# Altium PCB CT9042 Main Board with transformers.PcbDoc (part 2 of 2)
Units mm, origin at the board's own origin, x right, y up, seen from the top; angles counter-clockwise.
Board outline 242.29 x 155.23 mm, 4 copper layers (Top Layer, Layer 1, Layer 2, Bottom Layer), stack 1.794 mm thick; 444 components, 317 nets, 1266 pads, 114 vias.
Unrouted connection lines stored in the file: 642.
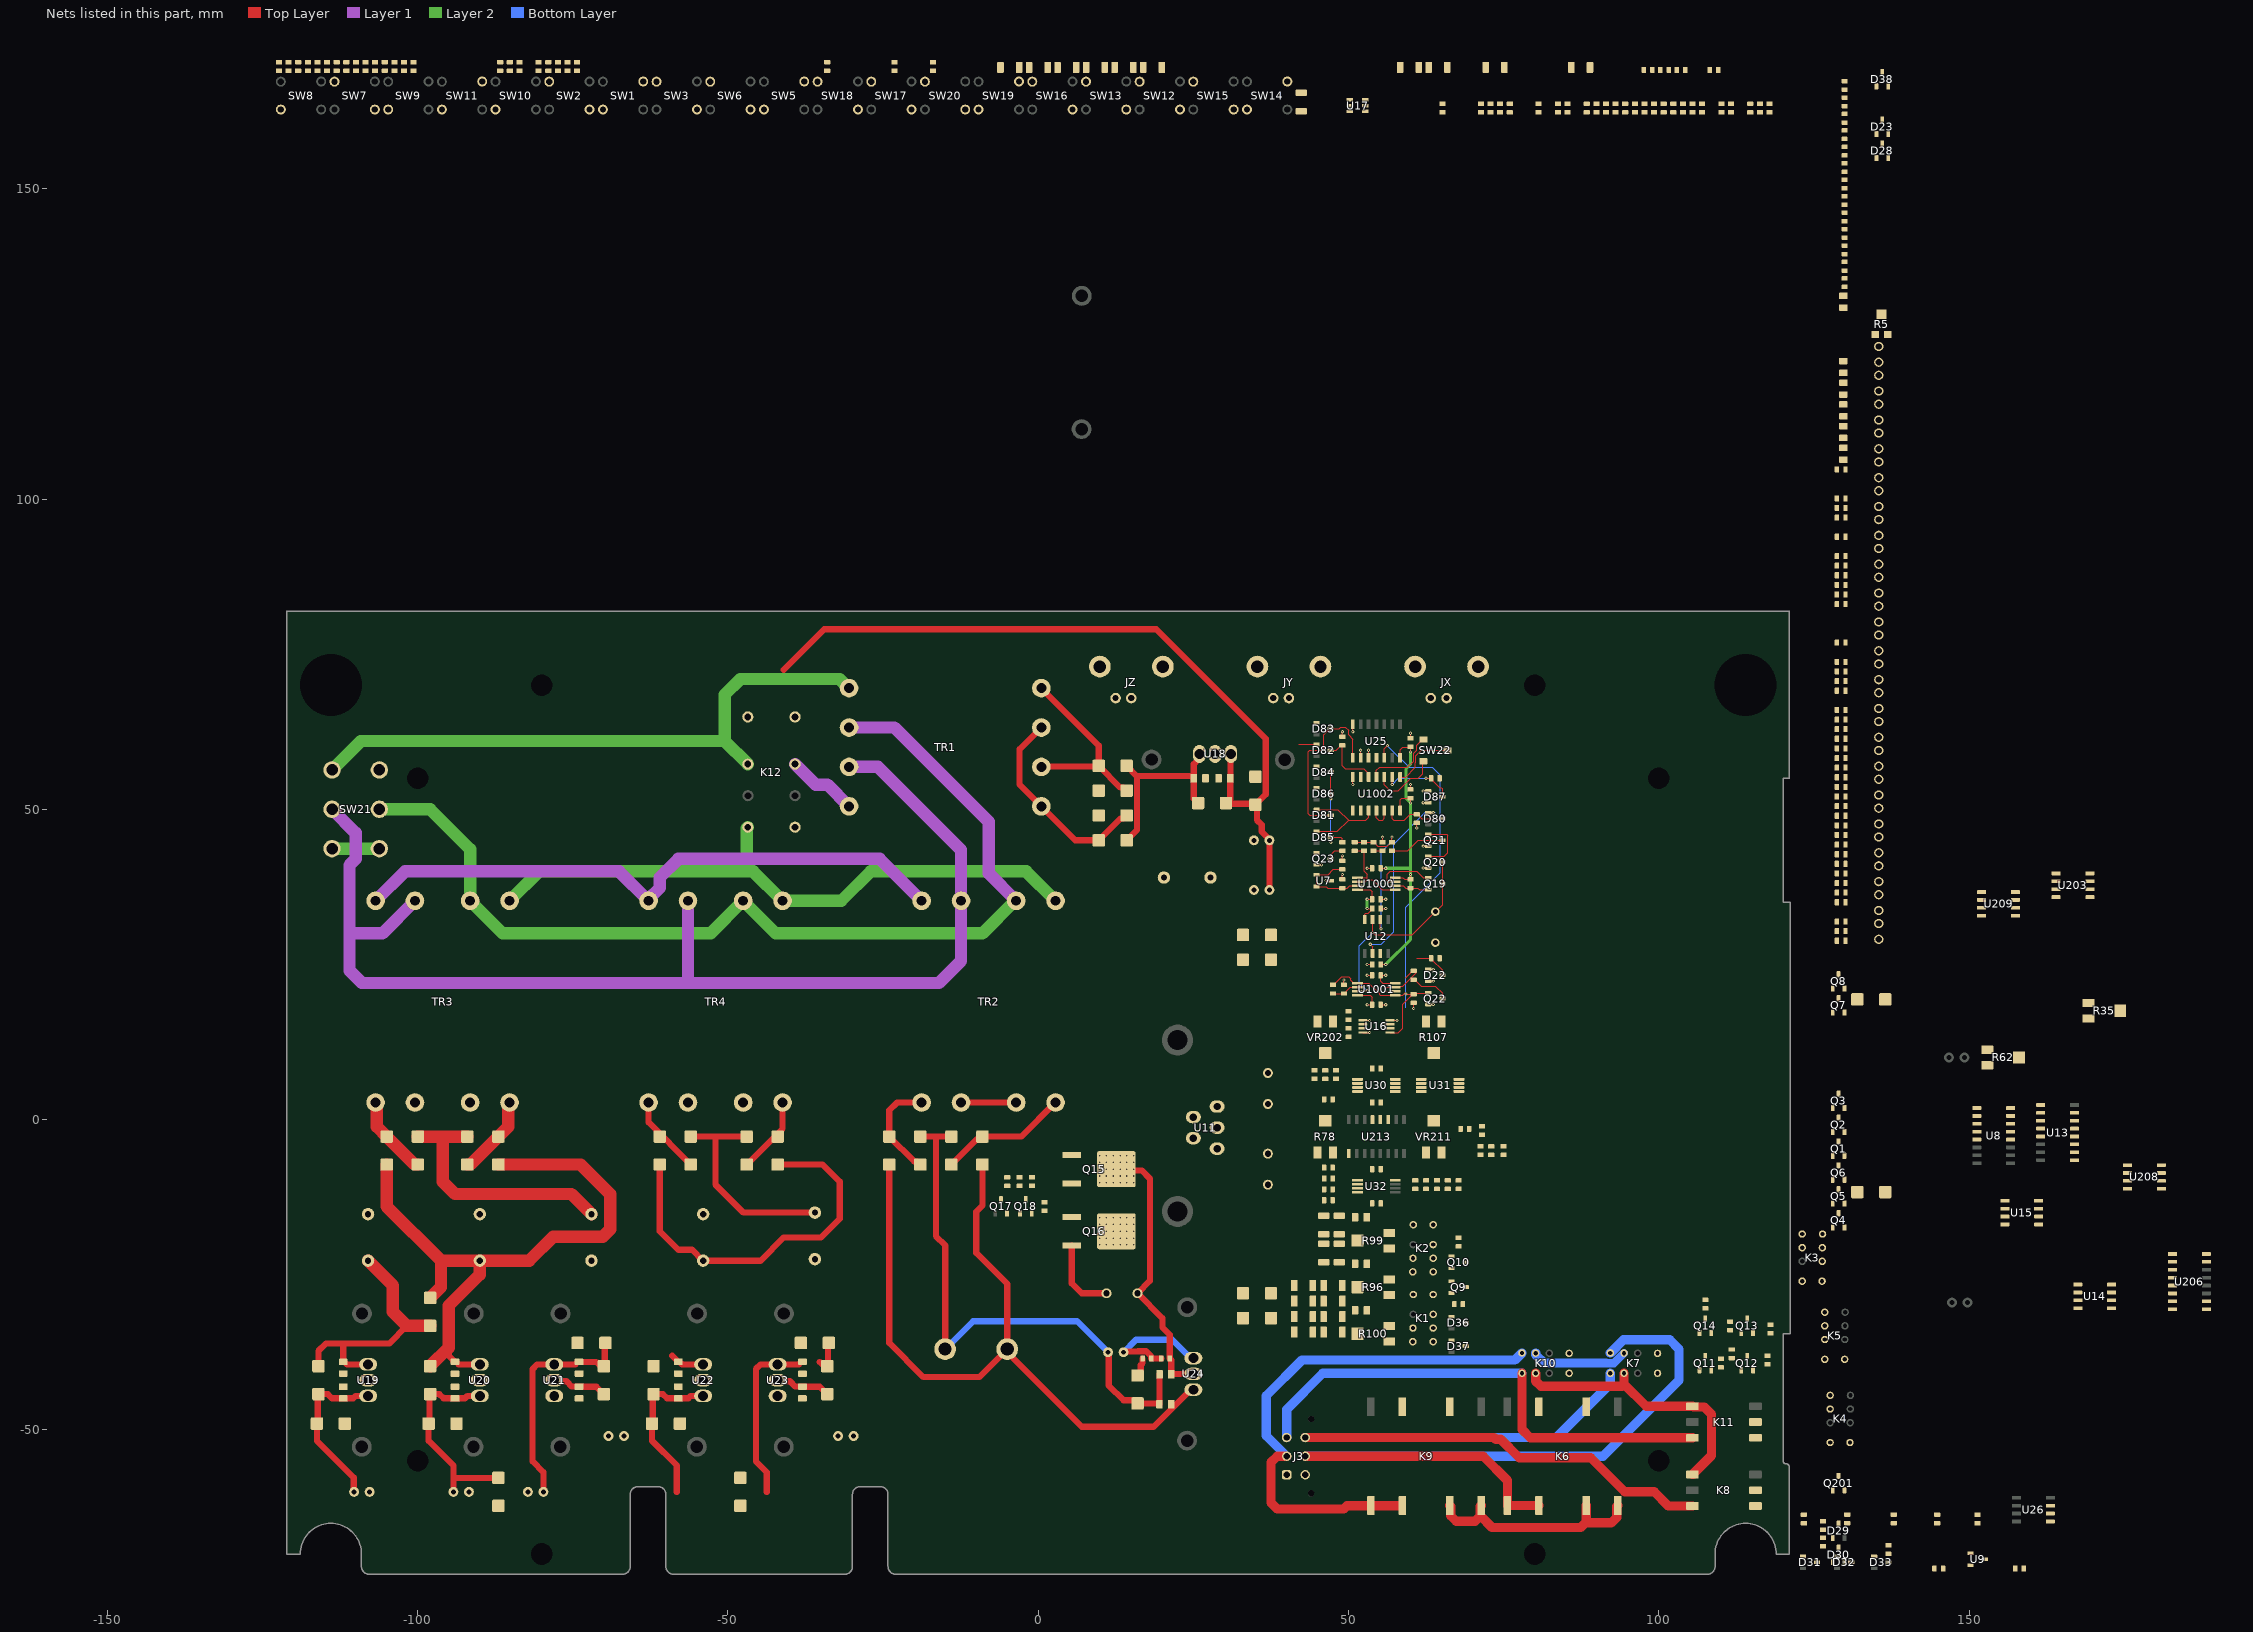
[diagram p4: the nets of this part, all layers, seen from the top]

## Part data (continued)
J3: "CONN,2X3,MOLEX MICROFIT,TH,VERT"
JX JY JZ: library part CONN-BNC-RA-TE-CONBNC002
K1 K2 K3 K4 K5 K7 K10: "RELAY,DPDT,1A,250VAC,220VDC,5V COIL,KEMET,UA2-5NJ", Manufacturer 1=KEMET, Manufacturer Part Number 1=UA2-5NJ, DIGIKEY=399-UA2-5NJ-ND
K6 K9: "RELAY,OPTOMOS,6A,60V,AC,IXYS,CPC1907B,SMD"
K8 K11: "RELAY,OPTOMOS,1.5A,100V,AC,IXYS,LCA701S,SMD"
K12: "RELAY,DPDT,5V COIL,250VAC,3A", Manufacturer 1=CIT, Manufacturer Part Number 1=J104B2C5VDC.20S, DIGIKEY=2449-J104B2C5VDC.20S-ND
Q1 Q2 Q4 Q6 Q7 Q8 Q9 Q10 Q11 Q12 Q13 Q14 Q18: library part XSTR-NPN-BC847, "XSTR,NPN,45V,0.1A,,BC847B,SOT23"
Q3 Q5 Q19 Q201: library part XSTR-PNP-BC857, "XSTR,PNP,SOT23,BC857,SOT23", Manufacturer 1=NEXPERIA, Manufacturer Part Number 1=BC857BW,115, DIGIKEY=1727-4869-1-ND
Q15: library part XSTR-NMOS-DIODES-DMN10H170SK3-13, "XSTR,NMOS,100V,12A,DMN10H170SK3-13,DPAK", Manufacturer 1=DIODES, Manufacturer Part Number 1=DMN10H170SK3-13, Package=DPAK, Idmax=5.6, Vds=100V
Q16: library part XSTR-PMOS-DIODES-DMP10H400SK3-13, "XSTR,PMOS,100V,5.6A,DMP10H400SK3-13,DPAK", Manufacturer 1=DIODES, Manufacturer Part Number 1=DMP10H400SK3-13, Package=DPAK, Idmax=9A, Vds=100V
Q17: library part XSTR-PNP-BC857, "XSTR,PNP,SOT23,BC857,SOT23"
Q20 Q21 Q22 Q23: library part XSTR-NMOS-VISHAY-SI2336DS-T1-BE3, "XSTR,NMOS,30V,4.3A,SI2336DS-T1-BE3.SOT23", Manufacturer 1=VISHAY, Manufacturer Part Number 1=SI2336DS-T1-BE3, Package=SOT23, DIGIKEY=742-SI2336DS-T1-BE3CT-ND, Idmax=4.3A, Vds=30V
R1 R2 R3 R4 R29 R30 R111 R115 R124 R131 R133 R135 R150 R272 R277 R279 R280: library part RESC-0603-10K-0.1%-1/10W, "RESISTOR,10K,0.1%,100mW,0603 (1608)", Power=1/10W, Tolerance=0.1%
R5: "RES,TRIM,SMD,500R", Manufacturer 1=BOURNS, Manufacturer Part Number 1=TC33X-2-501E, MOUSER=652-TC33X-2-101E
R6: library part RESC-0805-GENERIC, "RESISTOR,GENERIC,0805"
R7 R8 R9 R10 R11 R12 R13 R14 R15 R16 R17 R18 R19 R20 R21 R22 R23 R24 R25 R26 R27 R28 R41 R119 R122 R126 R128: library part RESC-0603-511R-0.1%-1/10W, "RESISTOR,511R,0.1%,100mW,0603 (1608)", Power=1/10W, Tolerance=0.1%
R31 R118 R149 R218: library part RESC-0603-511R-0.1%, "RESISTOR,511R,0.1%,100mW,0603 (1608)", Power=1/10W, Tolerance=0.1%
R32 R37 R43 R69 R72 R77 R106 R108: library part RESC-0603-2K05-0.1%-1/10W, "RESISTOR,2K05,0.11%,100mW,0603 (1608)", Power=1/10W, Tolerance=0.1%
R33: library part RESC-0603-50K-0.1%-1/10W, "RESISTOR,50K,0.1%,100mW,0603 (1608)", Power=1/10W, Tolerance=0.1%
R34: library part RESC-0603-2K37-0.1%-1/10W, "RESISTOR,2K37,0.1%,100mW,0603 (1608)", Power=1/10W, Tolerance=0.1%
R35 R62: "RESISTOR,MULTITURN,VERTICAL,5T,500R", Manufacturer 1=BOURNS, Manufacturer Part Number 1=3214X-1-501E
R36 R44 R207: library part RESC-1206-1K-0.1%-1/2W, "RESISTOR,1K,1206,0.1%,520mW,1206", Manufacturer 1=VISHAY, Manufacturer Part Number 1=TNPW12061K00BEEA, Power=0.52W, Tolerance=0.1%
R38 R45 R314: library part RESC-0603-1K27-0.1%-1/10W, "RESISTOR,1K27,0.1%,100mW,0603 (1608)", Power=1/10W, Tolerance=0.1%
R39 R42 R51 R58 R60 R61 R67 R68 R70 R71 R76 R101 R102 R110 R138 R139 R140 R141 R142 R144 R145 R146 R147 R148 R154 R155 R242 R243: library part RESC-0603-10K-0.1%-1/10W, "RESISTOR,10K,0.1%,100mW,0603 (1608)", Manufacturer 1=PANASONIC, Manufacturer Part Number 1=ERA-3AEB103V, Power=1/10W, Tolerance=0.1%, DIGIKEY=P10KDBCT-ND
R40 R112: library part RESC-0603-9K09-0.1%-1/10W, "RESISTOR,9K09,0.1%,100mW,0603 (1608)", Power=1/10W, Tolerance=0.1%
R46 R74 R75: library part RESC-0603-2K49-0.1%-1/10W, "RESISTOR,2K49,0.1%,100mW,0603 (1608)", Power=1/10W, Tolerance=0.1%
R47 R52: library part RESC-1206-18K-0.1%-1/2W, "RESISTOR,18K,1206,0.1%,520mW,1206", Manufacturer 1=VISHAY, Manufacturer Part Number 1=TNPW1206220RBEEA, Power=0.52W, Tolerance=0.1%
R48 R53 R82 R87: library part RESC-1206-1K8-0.1%-1/2W, "RESISTOR,1K8,1206,0.1%,520mW,1206", Manufacturer 1=VISHAY, Manufacturer Part Number 1=TNPW12061K80BEEA, Power=0.52W, Tolerance=0.1%
R49 R54: library part RESC-1206-200R-0.1%-1/2W, "RESISTOR,200R,1206,0.1%,520mW,1206", Manufacturer 1=VISHAY, Manufacturer Part Number 1=TNPW1206200RBEEA, Power=0.52W, Tolerance=0.1%
R50 R55 R81 R86: library part RESC-0603-2K21-0.1%-1/10W, "RESISTOR,2K21,0.1%,100mW,0603 (1608)", Power=1/10W, Tolerance=0.1%
R56 R57: library part RESC-1206-220R-0.1%-1/2W, "RESISTOR,220R,1206,0.1%,520mW,1206", Manufacturer 1=VISHAY, Manufacturer Part Number 1=TNPW1206220RBEEA, Power=0.52W, Tolerance=0.1%
R59 R66 R73 R121 R123 R129 R130 R136 R257 R278: library part RESC-0603-1K-0.1%-1/10W, "RESISTOR,1K,0.1%,100mW,0603 (1608)", Power=1/10W, Tolerance=0.1%
R63 R79 R316: library part RESC-0603-2M74-0.1%-1/10W, "RESISTOR,2M74,0.1%,100mW,0603 (1608)", Power=1/10W, Tolerance=0.1%
R64 R117 R153 R241 R271: library part RESC-0603-4M75-1%-1/10W, "RESISTOR,4M75,0.1%,100mW,0603 (1608)", Power=1/10W, Tolerance=0.1%
R65: library part RESC-0603-4K42-0.1%-1/10W, "RESISTOR,4K42,0.1%,100mW,0603 (1608)", Power=1/10W, Tolerance=0.1
R78 R107 VR211: "RESISTOR,MULTITURN,VERTICAL,5T,10K", Manufacturer 1=BOURNS, Manufacturer Part Number 1=3214X-1-102E
R80 R103: library part RESC-0603-44K2-0.1%-1/10W, "RESISTOR,44K2,0.1%,100mW,0603 (1608)", Power=1/10W, Tolerance=0.1%
R83 R88: library part RESC-1206-180R-0.1%-1/2W, "RESISTOR,180,1206,0.1%,520mW,1206", Manufacturer 1=VISHAY, Manufacturer Part Number 1=TNPW1206180RBEEA, Power=0.52W, Tolerance=0.1%
R84 R85 R89 R90 R91 R92 R97 R98: library part RESC-1206-20R-0.1%-1/2W, "RESISTOR,20R,1206,0.1%,520mW,1206", Manufacturer 1=VISHAY, Manufacturer Part Number 1=TNPW120620R0BEEA, Power=0.52W, Tolerance=0.1%
R93: library part RESC-0805-2K49-0.1%-1/4W, "RESISTOR,2K49,0.1%,250mW,0805", Manufacturer 1=TE, Manufacturer Part Number 1=RP73PF2A2K49BTDF, Power=1/4W, Tolerance=0.1%
R94 R95: library part RESC-0805-1K54-0.1%-1/4W, "RESISTOR,1K54,0.1%,250mW,0805", Manufacturer 1=TE, Manufacturer Part Number 1=RP73PF2A1K54BTDF, Power=1/4W, Tolerance=0.1%
R96 R99 R100: "RESISTOR,MULTITURN,VERTICAL,5T,1K", Manufacturer 1=BOURNS, Manufacturer Part Number 1=3214X-1-102E
R104: library part RESC-0603-511K-0.1%-1/10W, "RESISTOR,511K,0.1%,100mW,0603 (1608)", Power=1/10W, Tolerance=0.1%
R105: library part RESC-0603-1M54-0.1%-1/10W, "RESISTOR,1M54,0.1%,100mW,0603 (1608)", Power=1/10W, Tolerance=0.1
R109: library part RESC-0603-1K01-0.1%-1/10W, "RESISTOR,1K01,0.1%,100mW,0603 (1608)", Power=1/10W, Tolerance=0.1%
R113: library part RESC-0603-40K2-0.1%-1/10W, "RESISTOR,40K2,0.1%,100mW,0603 (1608)", Power=1/10W, Tolerance=0.1%
R114: library part RESC-0603-866R-1%-1/10W, "RESISTOR,866R,1%,100mW,0603 (1608)", Power=1/10W, Tolerance=1%
R116 R151 R270: library part RESC-0603-100K-0.1%-1/10W, "RESISTOR,100K,0.1%,100mW,0603 (1608)", Power=1/10W, Tolerance=0.1%
R132: library part RESC-0603-562R-0.1%-1/10W, "RESISTOR,562R,0.1%,100mW,0603 (1608)", Power=1/10W, Tolerance=0.1%
R134 R137: library part RESC-0603-51K1-1%-1/10W, "RESISTOR,51K1,1%,100mW,0603 (1608)", Power=1/10W, Tolerance=1%
R143: library part RESC-0603-10R-1%-1/10W, "RESISTOR,10R,1%,100mW,0603 (1608)", Power=1/10W, Tolerance=1%
R152 R273: library part RESC-0603-39K2-0.1%-1/10W, "RESISTOR,39K2,0.1%,100mW,0603 (1608)", Power=1/10W, Tolerance=1%
R261: library part RESC-0603-42K2-0.1%-1/10W, "RESISTOR,42K2,0.1%,100mW,0603 (1608)", Power=1/10W, Tolerance=0.1%
SW1 SW2 SW3 SW5 SW6 SW7 SW8 SW9 SW10 SW11 SW12 SW13 SW14 SW15 SW16 SW17 SW18 SW19 SW20: "SW,SMD,TACT,4PIN,TH,160g TOP ACTUATOR FOR CAP,E-SWITCH,TL1105SPF160", Manufacturer 1=E-SWITCH, Manufacturer Part Number 1=TL1105SPF160Q, DIGIKEY=EG1861-ND
SW21: library part SWITCH-CANDK-S602131MS02Q, "SWITCH,DPDT,250/115,C&K,S602131MS02Q", Manufacturer 1=C&K, Manufacturer Part Number 1=S202121MS02Q, DIGIKEY="CKC5115-ND OR CKN10661-ND"
SW22: library part SWITCH-NIDEC-CJS-1200TB1, "SWITCH,SPST,SLIDE,SMD", Manufacturer 1=NIDEC, Manufacturer Part Number 1=CJS-1200TB1, DIGIKEY=563-CJS-1200TB1CT-ND
TR1: library part XFMR-HAMMOND-162D12, "XFMR,115/230,2X6V3,1.16A,HAMMOND,162F12"
TR2: library part XFMR-HAMMOND-162F28, "XFMR,115/230,2X14,6VA,HAMMOND,162F28"
TR3: library part XFMR-HAMMOND-162F12, "XFMR,115/230,2X6V3,6VA,HAMMOND,162F12"
TR4: library part XFMR-HAMMOND-162F20, "XFMR,115/230,2X20,6VA,HAMMOND,162F20"
U7 U9: library part IC-TI-ATL431B-SOT23, "IC,REGULATOR,REFERENCE,SHUNT,0.5%,48ppm,TL431,SOT23", Manufacturer 1=TI, Manufacturer Part Number 1=ATL431BIDBZR, DIGIKEY=296-47739-1-ND
U8: library part IC-SILICONIX-DG451, "IC,ANALOG,4XSPST ANALOG SWITCH,NC,,SILICONIX,DG451,SO16", Manufacturer 1="VISHAY SILICONIX", Manufacturer Part Number 1=DG451EY-T1-E3, DIGIKEY=DG451EY-T1-E3CT-ND
U11: library part IC-TI-LM675-TO220-5, "IC,OPAMP,SINGLE,POWER,LM675,TO220-5"
U12: library part IC-TI-TLV7211-SO8, "IC,COMPARATOR,SINGLE,PUSHPULL,TI,TLV7211,SO8", Manufacturer 1=TI, Manufacturer Part Number 1=TLV7211IDR, DIGIKEY=296-21871-1-ND
U13 U206 U213: library part IC-TI-CD4053-SPLIT, "IC,LOGIC,CMOS,4XXX,TRIPLE 2:1 MUX,SPLIT BLOCKS"
U14 U26: library part IC-TI-LM393-SO8, "IC,COMPARATOR,DUAL,LM393,SO8", Manufacturer 1=DIODES-INC, Manufacturer Part Number 1=AS393AMTR-E1, DIGIKEY=AS393AMTR-E1
U15: library part IC-ANALOG-AD633XR-SO8, "IC,ANALOG,MULTIPLIER,ANALOGDEVICES,AD633JRZ,SO8", Manufacturer 1="ANALOG DEVICES", Manufacturer Part Number 1=AD633JRZ, DIGIKEY=505-AD633JRZ-ND
U16: library part IC-MICROCHIP-MCP4551T-103, "IC,DIGITAL POTMETER,257STEP,I2C,10K,MICROCHIP,MCP4551T-103", Manufacturer 1=MICROCHIP, Manufacturer Part Number 1=MCP4551T-103E/MS, DIGIKEY=MCP4551T-103E/MSCT-ND
U17: library part IC-TI-74HC14-SO14, "IC,NOT,HEX,SCHMITTTRIGGER,ONSEMI,MC74AC14DR2G,SO14", Manufacturer 1=ONSEMI, Manufacturer Part Number 1=MC74AC14DR2G, DIGIKEY=MC74AC14DR2GOSCT-ND
U18 U19 U20: library part IC-ST-L7805CP-TO220FP, "IC,VOLTAGE REG,LIN,POSITIVE,5V,7805,TO220 FULLPACK", LCSC=C460608
U21: library part IC-ST-L7905CP-TO220FP, "IC,VOLTAGE REG,LIN,NEGATIVE,-5V,7905,TO220 FULLPACK", LCSC=C460608
U22: library part IC-ST-L7815CP-TO220FP, "IC,VOLTAGE REG,LIN,POSITIVE,15V,7815,TO220 FULLPACK", LCSC=C460608
U23: library part IC-ST-L7915CP-TO220FP, "IC,VOLTAGE REG,LIN,NEGATIVE,-15V,7915,TO220 FULLPACK", LCSC=C460608
U24: library part IC-ST-LM317P-TO220FP, "IC,VOLTAGE REG,LIN,POSITIVE,ADJ,LM317P,TO220"
U25: library part IC-TI-CD4013-SO14, "IC,LOGIC,CMOS,4XXX,DUAL D-FLIPFLOP,CD4013", Manufacturer 1=TI, Manufacturer Part Number 1=CD4013BM96, DIGIKEY=296-24347-1-ND
U30 U31 U32 U1000 U1001: library part IC-TI-TL082HIPWR-TSSOP8, "IC,OPAMP JFET,DUAL,TL082H,TSSOP8", Manufacturer 1=TI, Manufacturer Part Number 1=TL082HIPWR, DIGIKEY=296-TL082HIPWRCT-ND
U203 U208 U209: library part IC-TI-LF412-S08, "IC,OPAMP JFET,DUAL,LF412,SO8"
U1002: library part IC-DIODES-74LVC14AS14-13-SO14, "IC,LOGIC,CMOS,74XX,HEX SCHMITTTRIGGER,74LVC14AS14-13,SO14", Manufacturer 1=DIODES, Manufacturer Part Number 1=74LVC14AS14-13, DIGIKEY=74LVC14AS14-13DICT-ND
VR202: "RESISTOR,MULTITURN,VERTICAL,5T,100K", Manufacturer 1=BOURNS, Manufacturer Part Number 1=3214X-1-102E

## Free pads (board coordinates)
  round 0 hole 10 unplated: 1(-114,70) 1(114,70)
  round 0 hole 3.5 unplated: 1(-100,55) 1(-100,-55) 1(-80,70) 1(-80,-70) 1(80,70) 1(80,-70) 1(100,55) 1(100,-55)

## Via types
v1: diameter 0.508/0.508/0.508/0.6 (per signal layer), hole 0.254, Top Layer to Bottom Layer, 60 vias
v2: diameter 0.5, hole 0.2, Top Layer to Bottom Layer, 54 vias

## Nets (pads, with @x,y where several pads share a name; then routed paths per layer and width w, separated by ;. In a path a pad name is that pad's centre, name@x,y a point inside that pad or via, vN(x,y) a via of type N, cw(c..) or ccw(c..) an arc to the next point about the centre after c; other vN are vias at no path point)
A\/B: U17.3
ADC-D0: 
ADC-D1: 
ADC-D2: 
ADC-D3: 
ADC-D4: 
ADC-D5: 
ADC-D6: 
ADC-D7: U206.9
ADC-IBG: D29.3 R59.1
ADC-ICD: R115.2 U13.4 U15.1
ADC-VBG: R73.1 R76.1
ADC-VCD: R243.1 U15.7 U26.6 U30.1 U30.3 U213.3
AGND: C26.2 C28.1 C33.2 C38.2 C39.2 C40.2 C41.2 C42.2 C43.2 C44.2 C45.2 C46.2 C47.2 C48.2 C49.2 C50.2 C51.1 C52.1 C53.1 C54.1 C55.2 C56.2 C57.2 C58.2 C59.1 C60.1 C61.1 C62.1 C68.2 C69.2 C70.2 C71.1 C72.2 C73.2 C74.2 C75.2 C76.1 C77.2 C78.2 C79.2 C80.1 C81.2 C83.1 C84.1 D49.2 D50.2 D51.2 D57.2 D60.2 D63.1 D70.2 D73.1 D87.1 J3.1 J3.4 JX.2 JX.3 JX.4 JY.2 JY.3 JY.4 JZ.2 JZ.3 JZ.4 K5.7 Q3.3 Q4.3 Q11.2 Q12.2 Q13.2 Q14.2 Q15.3 Q16.4 Q20.2 Q21.2 Q22.2 Q23.2 R63.2 R64.2 R76.2 R110.2 R112.2 R113.2 R124.2 R131.2 R140.2 R144.2 R145.2 R147.1 R152.1 R273.1 R280.2 TR3.6 TR3.7 TR4.6 TR4.7 U7.3 U8.3 U8.14 U13.2 U13.12 U13.14 U15.2 U15.8 U16.1 U16.4 U16.7 U18.2 U19.2 U20.2 U21.1 U22.2 U23.1 U25.7 U25.9 U25.10 U31.3 U31.5 U208.3 U208.5 U209.5 U1002.7 | length 24.4
  Top Layer w0.2: Q23.2@44.85,41.05 v2(45.66,41.05) ; v2(46.34,38.5) U7.3@47.15,38.5 ; C33.2@49,38.69 v2(49,39.5) ; R145.2@49,61.69 v2(49,62.5) ; R110.2@49.25,21.69 v2(49.25,22.5) ; v2(50.69,53.99) U1002.7@50.69,55.2 ; v2(50.69,62.49) U25.7@50.69,63.7 ; U25.9@51.96,58.3 v2(51.96,59.51) ; U16.4@52.3,14.025 v2(53.41,14.025) ; U16.1@52.3,15.975 v2(53.41,15.975) ; v2(53,23.25) C74.2@53.81,23.25 ; v2(53,25) C73.2@53.81,25 ; v2(53,40.5) C77.2@53.81,40.5 ; U25.10@53.23,58.3 v2(53.23,59.51) ; C76.1@55.19,18.5 v2(56,18.5) ; C75.2@55.19,34 v2(56,34) ; C80.1@55.19,35.5 v2(56,35.5) ; R144.2@55.5,44.69 v2(55.5,45.5) ; v2(55.59,15.325) U16.7@56.7,15.325 ; C79.2@60,53.19 v2(60,54) ; C78.2@60,61.44 v2(60,62.25) ; v2(60.5,17.89) R147.1@60.5,18.7 ; v2(61,47) R140.2@61,47.81 ; v2(62.04,40.55) Q20.2@62.85,40.55 ; v2(62.04,44.05) Q21.2@62.85,44.05 ; v2(62.04,52.95) D87.1@62.85,52.95 ; Q22.2@62.85,18.55 v2(63.66,18.55)
  other v1: 9.885,-20.205 10.985,-20.205 12.085,-20.205 13.185,-20.205 14.285,-20.205 15.385,-20.205 9.885,-19.105 10.985,-19.105 12.085,-19.105 13.185,-19.105 14.285,-19.105 15.385,-19.105 9.885,-18.005 10.985,-18.005 12.085,-18.005 13.185,-18.005 14.285,-18.005 15.385,-18.005 9.885,-16.905 10.985,-16.905 12.085,-16.905 13.185,-16.905 14.285,-16.905 15.385,-16.905 9.885,-15.805 10.985,-15.805 12.085,-15.805 13.185,-15.805 14.285,-15.805 15.385,-15.805
BEAMFIND: Q23.1
BFA: R69.1 U8.1 U8.16
BLANK: JZ.1 R149.2
BTN-ALTERNATE: SW11.1
BTN-BIPFET: SW7.3
BTN-CHA: SW5.1
BTN-CHB: SW6.2
BTN-DUTAB: SW20.3
BTN-IMAXDN: SW15.2
BTN-IMAXUP: SW8.1
BTN-MARK12: SW2.3
BTN-NPN-PNP: SW12.3
BTN-PAGE: SW1.1
BTN-PMAXDN: SW17.2
BTN-PMAXUP: SW10.1
BTN-ROTCLICK: R3.1
BTN-RUNSTOP: SW18.2
BTN-SETUP: SW14.4
BTN-TRCNT: SW13.3
BTN-TRSEL: SW19.1
BTN-VMAXDN: SW9.1 SW16.2
DISCHARGE: D81.3 D83.3 Q20.1 Q21.1 U25.8 | length 37.6
  Top Layer w0.2: D81.3@47.15,49 43.75,49 43.5,49.25 43.5,59.25 43.75,59.5 45.75,59.5 46,59.75 46,62.05 46.95,63 D83.3@47.15,63 48.5,63 48.75,63.25 49.5,63.25 50,62.75 50,62 50.69,61.31 U25.8@50.69,58.3 ; Q20.1@62.85,42.45 65.45,42.45 66,43 66,45.75 65.8,45.95 Q21.1@62.85,45.95
DRIVE: U16.6 U30.2
ENABLE: U17.5
F-KEYINT-A: 
F-KEYINT-B: 
F-LCD4: 
F-LCD5: 
F-LCD6: 
F-LCD7: 
F-LCDE: 
F-LCDRS: 
F-LCDRW: 
F-POWERON: SW3.3
F-SCL: R29.1
F-SDA: R30.1
FGND: C1.2 C2.2 C3.2 C4.2 C5.2 C6.2 C7.2 C8.2 C9.2 Q1.2 R5.3 SW1.4 SW2.2 SW3.2 SW5.4 SW6.3 SW7.2 SW11.4 SW12.2 SW13.2 SW14.1 SW15.3 SW16.3 SW17.3 SW18.3 SW19.4 SW20.2
FP5VD: C1.1 C2.1 C3.1 C4.1 C5.1 C6.1 C7.1 C8.1 C9.1 D1.2 D2.2 D3.2 D4.2 D5.2 D6.2 D7.2 D8.2 D9.2 D10.2 D11.2 D12.2 D13.2 D14.2 D15.2 D16.2 D17.2 D18.2 D19.2 D20.2 D21.2 R1.2 R2.2 R3.2 R4.2 R29.2 R30.2
GND: C10.2 C11.2 C12.2 C13.2 C14.2 C15.1 C16.1 C17.1 C18.1 C19.1 C20.1 C21.2 C22.1 C23.1 C24.2 C25.1 C29.2 C30.1 C31.2 C32.2 D29.1 Q6.2 Q7.2 Q8.2 Q9.2 Q10.2 R39.1 R45.2 R46.2 U11.1 U30.5 U206.6 U206.8
IB1: R77.1
IB2: R72.1
IB/VG: K3.5 K4.5 K5.5 K7.6 K8.4 K10.6 K11.4 R47.2 R52.2 R56.2 R57.2 R66.1 | length 44.9
  Top Layer w1.5: K10.6@80.15,-40.888 80.15,-42.121 81.022,-42.994 94.056,-42.994 94.4,-42.65 ; K7.6@94.4,-40.888 94.4,-42.65 ; K8.4@105.42,-57.21 105.571,-57.21 105.686,-57.095 105.686,-56.944 108.5,-54.13 108.5,-47.5 107.325,-46.325 105.535,-46.325 K11.4@105.42,-46.21 97.96,-46.21 94.4,-42.65
IBPOL: U206.10
IM3: R106.1
IM4: R108.1
KEYINT: 
KEYINT-A: 
KEYINT-B: 
L: K12.2 SW21.1 TR1.1 | length 99.6
  Layer 2 w2: SW21.1@-113.81,56.35 -109.16,61 -50.54,61 ; K12.2@-46.81,57.27 -50.54,61 ; TR1.1@-30.494,69.525 -30.525,69.525 -32,71 -48,71 -50.54,68.46 -50.54,61
LCD-D4: 
LCD-D5: 
LCD-D6: 
LCD-D7: 
LCD-E: 
LCD-RS: 
LCD-RW: 
LED-2mA: R18.2
LED-20mA: R19.2
LED-200mA: R20.2
LED-ALT: R28.2
LED-BACKLIGHT: R7.2
LED-BIP: R12.2
LED-CHA: R16.2
LED-CHB: R17.2
LED-FET: R15.2
LED-MRK-1: R8.2
LED-MRK-2: R11.2
LED-MRK-A: R9.2
LED-MRK-B: R10.2
LED-NPN: R14.2
LED-PMAX4W: R26.2
LED-PMAX40mW: R24.2
LED-PMAX400mW: R25.2
LED-PNP: R13.2
LED-RUNSTOP: R27.2
LED-VMAX2V: R21.2
LED-VMAX10V: R22.2
LED-VMAX40V: R23.2
LIMIT: U1002.9
MARKER: C35.2 R218.2
N: K12.7 SW21.6 TR1.4 | length 11.5
  Layer 1 w2: K12.7@-39.19,57.27 -35.888,53.968 -33.987,53.968 TR1.4@-30.494,50.475
N5VA: C15.2 C16.2 C25.2 C30.2 C52.2 C54.2 C71.2 C75.1 C80.2 C83.2 C84.2 D34.1 D63.2 D65.1 D67.1 R43.2 R78.1 R104.2 R107.1 U8.5 U12.4 U14.4 U21.3 U30.4 U31.4 U32.4 U206.7 U208.8 U1000.4 VR202.1 VR211.1 | length 45.4
  Top Layer w0.2: U1000.4@51.45,37.025 53.475,37.025 53.81,36.69 C80.2@53.81,35.5 v2(53,35.5) ; U12.4@52.595,32.225 52.595,33.095 52.75,33.25 53.195,33.25 53.81,33.865 C75.1@53.81,34 v2(53,34)